# Allegro board CATALYSTK_260108.brd (continued)
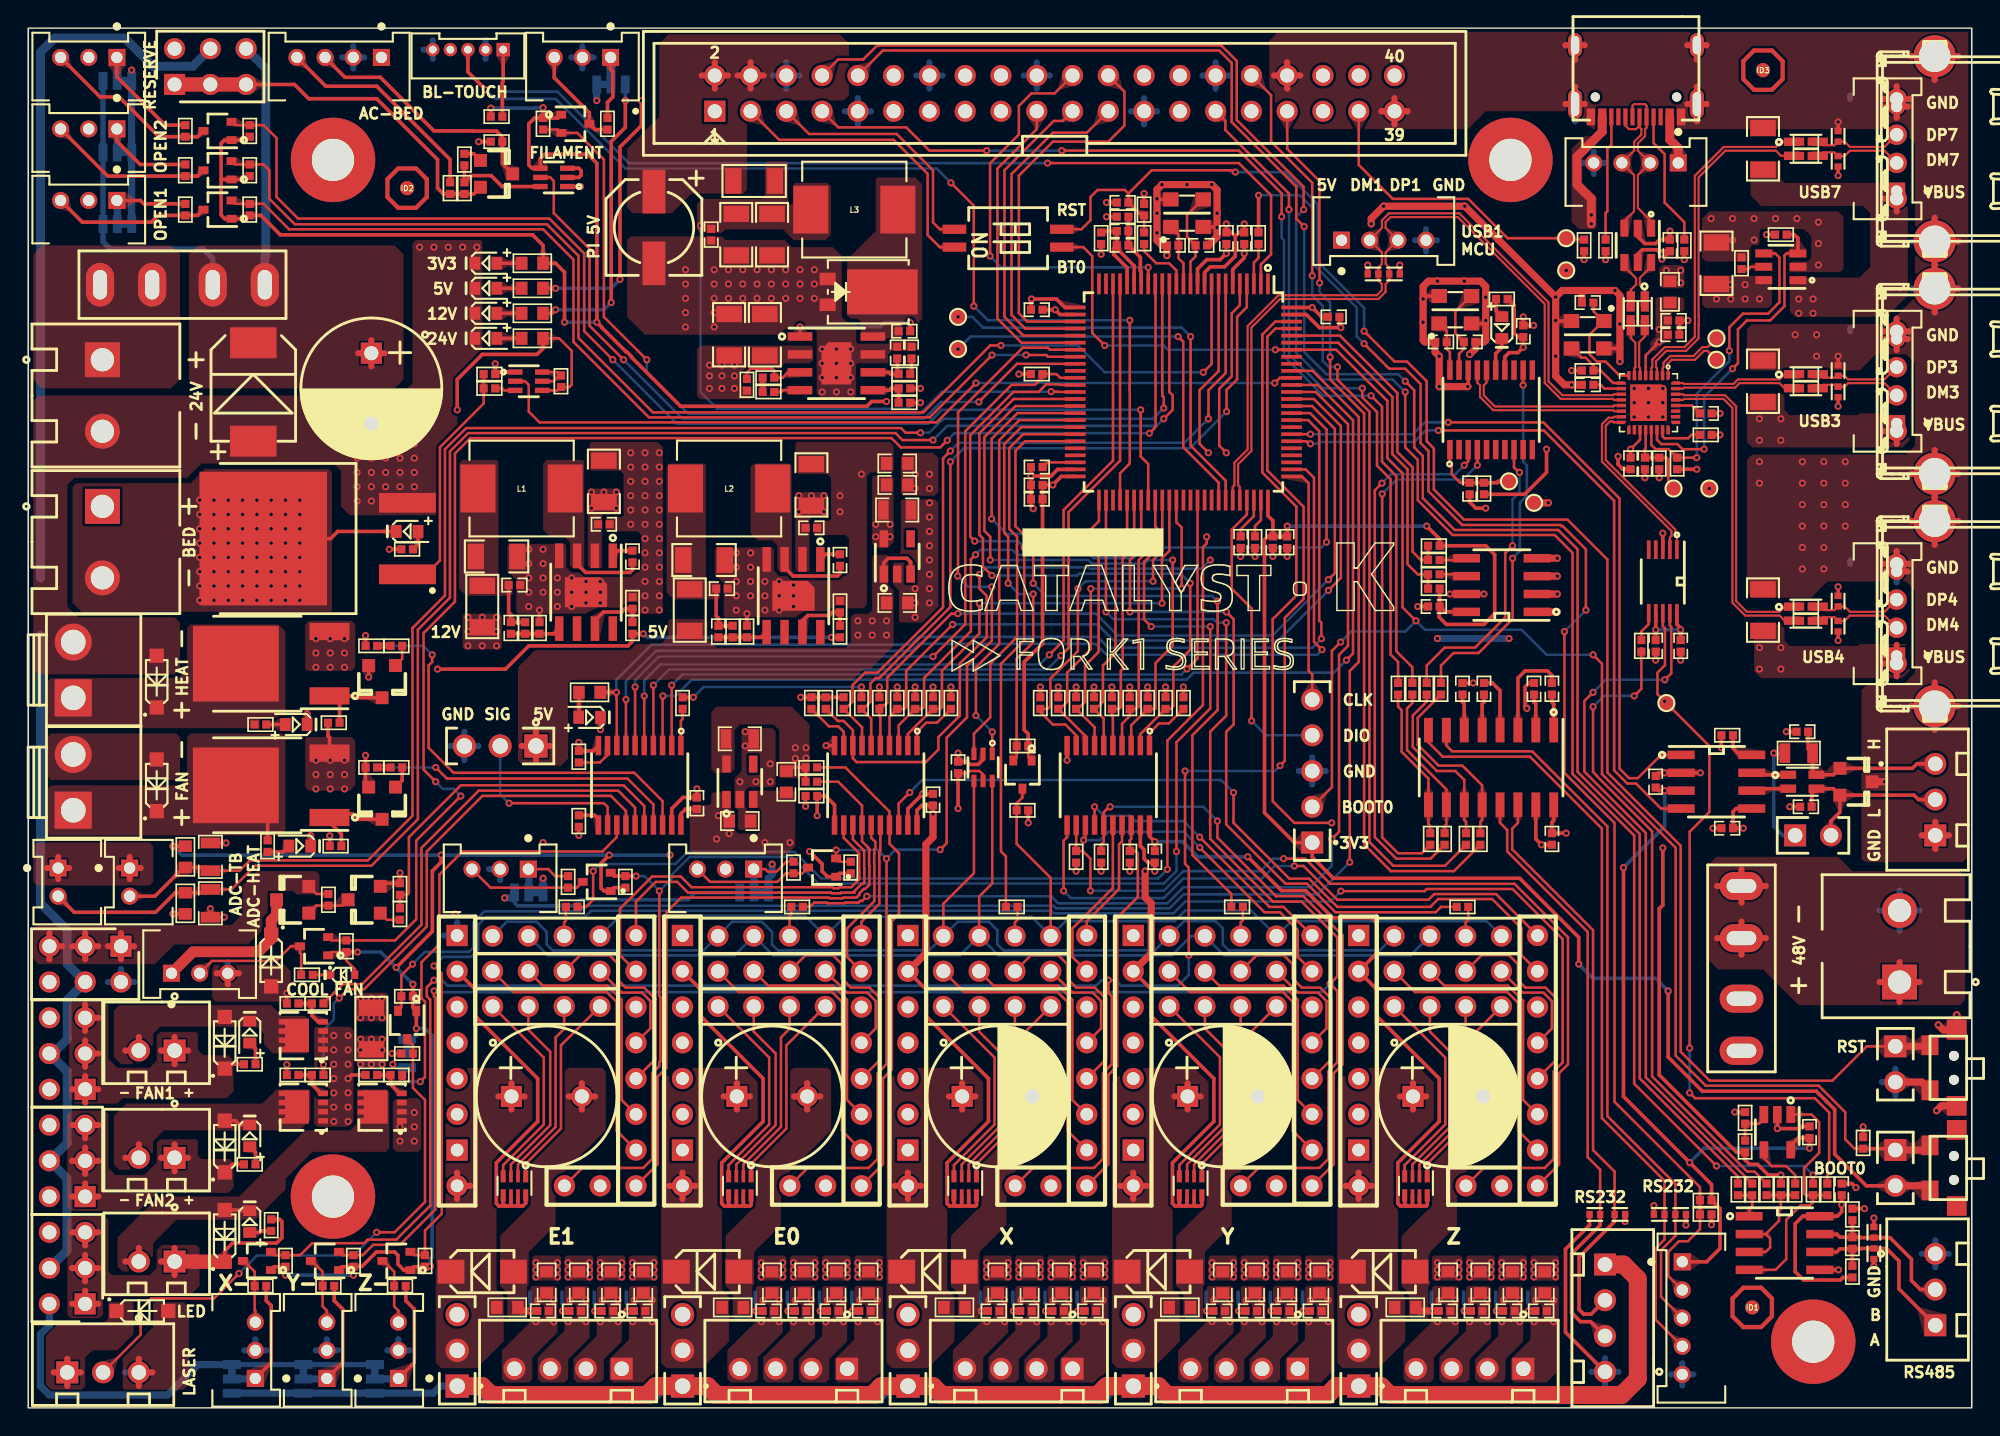
[diagram p0: board, top side]
## Placement (name value [footprint] x y rotation side) (continued)
R140  100R  [R0402]  69.83 35.58 0 top
R141  100K  [R0603]  81.77 7.13 0 top
R142  10K  [R0402]  76.18 39.14 90 top
R143  100R  [R0402]  85.83 35.58 0 top
R144  100K  [R0603]  50.02 7.13 0 top
R145  10K  [R0402]  55.61 45.49 0 top
R146  100R  [R0402]  54.59 35.58 180 top
R147  100K  [R0603]  34.02 7.13 0 top
R148  10K  [R0402]  55.61 44.47 0 top
R149  100R  [R0402]  38.59 35.58 180 top
R150  100K  [R0603]  97.77 7.13 0 top
R151  10K  [R0402]  74.4 39.14 90 top
R152  100R  [R0402]  101.84 35.58 0 top
R155  10K  [R0402]  117.08 67.08 90 top
R156  0R  [R0402]  114.54 54.12 90 top
R157  10K  [R0402]  103.36 65.3 90 top
R158  1K  [R0402]  104.63 78.76 0 top
R159  10K  [R0402]  119.11 14.75 0 top
R160  200K  [R0402]  119.11 13.74 180 top
R161  1K  [R0402]  121.9 18.56 270 top
R162  0R  [R0402]  125.46 15.52 270 top
R163  15K  [R0402]  121.9 20.6 270 top
R164  0R  [R0402]  126.73 15.52 270 top
R165  0R  [R0402]  121.39 15.52 270 top
R166  0R  [R0402]  98.28 51.08 90 top
R167  10K  [R0402]  110.47 82.57 90 top
R168  0R  [R0402]  97.26 51.08 90 top
R169  0R  [R0402]  103.11 40.41 270 top
R170  0R  [R0402]  102.09 40.41 90 top
R171  0R/NC  [R0402]  123.43 15.52 270 top
R172  NC  [R0402]  126.22 88.92 180 top
R173  NC  [R0402]  126.22 89.94 180 top
R174  NC  [R0402]  126.22 72.41 180 top
R175  NC  [R0402]  126.22 73.43 180 top
R176  NC  [R0402]  126.22 55.9 180 top
R177  NC  [R0402]  126.22 56.92 180 top
RN1  4.7K  [RESCAXS50P200X100X50-8N]  66.53 15.77 180 top
RN2  4.7K  [RESCAXS50P200X100X50-8N]  82.53 15.77 180 top
RN3  4.7K  [RESCAXS50P200X100X50-8N]  50.53 15.77 180 top
RN4  4.7K  [RESCAXS50P200X100X50-8N]  34.53 15.77 180 top
RN5  4.7K  [RESCAXS50P200X100X50-8N]  98.53 15.77 180 top
SW1  SW DIP-2  [DIP-SWITCH-2N_127P_SMD]  69.58 83.08 90 top
SW2  RST  [TS-019]  136.73 24.15 270 top
SW3  BOOT0  [TS-019]  136.73 17.04 270 top
T1  TEST  [TPPAD_SMD_C100]  116.82 65.3 90 top
T2  TEST  [TPPAD_SMD_C100]  119.36 65.3 90 top
T3  TEST  [TPPAD_SMD_C100]  105.14 65.81 90 top
T4  TEST  [TPPAD_SMD_C100]  106.92 64.28 90 top
T5  TEST  [TPPAD_SMD_C100]  116.31 50.06 0 top
T6  TEST  [TPPAD_SMD_C100]  109.2 83.08 0 top
T7  TEST  [TPPAD_SMD_C100]  109.2 80.79 0 top
T8  TEST  [TPPAD_SMD_C100]  66.02 75.21 0 top
T9  TEST  [TPPAD_SMD_C100]  66.02 77.49 0 top
T10  TEST  [TPPAD_SMD_C100]  119.87 74.44 0 top
T11  TEST  [TPPAD_SMD_C100]  119.87 75.97 0 top
U1  RY9330DP8  [SOIC8E]  39.61 57.93 180 top
U2  RY9330DP8  [SOIC8E]  54.34 57.68 180 top
U3  ME6217C33M5G/NC  [SOT23-5]  50.53 44.47 0 top
U4  TPS54360  [SOIC8E]  57.39 74.19 270 top
U5  ME6217C33M5G  [SOT23-5]  61.7 60.47 0 top
U6  74LVC2G34GW  [SC70_SOT-363-6]  67.8 45.49 180 top
U7  STM32H723VGT6  [LQFP-100_50P1600X1600X160]  82.02 72.16 180 top
U8  74HCT245  [TSSOP-20_P65_650X640X120]  43.42 44.22 180 top
U9  74HCT245  [TSSOP-20_P65_650X640X120]  76.69 44.22 180 top
U10  AT24C32  [SOIC-8_127P600X175]  104.63 58.44 90 top
U11  74HCT245  [TSSOP-20_P65_650X640X120]  60.18 44.22 180 top
U12  CH338F  [QFN-32_P40_400X400X100]  115.04 71.4 180 top
U13  TPT3232E-SO3R  [SOP-16_127P600X170]  103.87 45.49 180 top
U14  SSP485  [SOIC-8_127P600X175]  124.7 11.71 270 top
U15  SIT1051AQT/3  [SOIC-8_127P600X175]  119.87 44.47 270 top
U16  CH217K  [SOT23-6]  124.44 81.05 90 top
U17  CH340E  [MSOP-10_P50P500X110]  116.06 58.7 180 top
U18  CH347T  [TSSOP-20_P65_650X640X120]  103.87 70.89 0 top
U19  AP331AWG-7  [SOT23-5]  124.19 19.58 180 top
Y1  25Mhz/10ppm  [SMD3225]  82.28 84.86 0 top
Y2  25Mhz  [SMD3225]  110.73 76.22 180 top
Y3  8Mhz  [SMD3225]  101.33 78 0 top

## Library data of the parts
C1 C4 C5 C7 C8 C10 C11 C13-C16 C19 C23-C60 C63-C71 C73-C75 C81-C106 = C
C2 C3 C9 C21 C22 C76-C80 = CAP
C6 C12 C17 C18 C20 = CAP POL
D1 D31-D35 = DIODE TAZ
D2 = DIODE SCHOTTKY_4
D3-D7 D10 D13 D14 D18-D20 D36 = LED
D8 = USBLC6-2SC6Y
D11 D12 D15-D17 D21-D23 = DIODE
D24-D29 ED1-ED8 = DIODE BI-DIR TRIG
D30 = TVS_3P
F1 F3 = FUSE_0
F2 F4-F6 = FUSE
FB1-FB5 = BEAD
FB6-FB25 = FB
ID1-ID3 = MARK
J1 J2 J19 = KF_CON_2P
J4 J46 = CON_0
J5 J6 = CON2_3
J7 J8 J11 J13 J15 J24 = JSTXH_1
J9 J12 J14 = USB-A_6P
J10 = TYPE-C_16P
J17 J18 = CON2
J20-J23 J28 = CON6A
J25-J27 = JSTXH_2P
J29 J40 J41 J43-J45 J47-J50 = JSTXH_3
J30 J51 J54 J57 J60 J63 = header_3
J31 J37 J38 = JSTXH_3P
J33 = IDCCON_20X2
J35 = JSTXH_4P
J36 = JSTXH_2
J39 J42 = CONN MOD 4-2_J_1
J52 J55 J58 J61 J64 = JUMPER_4X3
J53 J56 J59 J62 J65 = 4 HEADER
J66 = header_2
JP7-JP16 = JP_0
L1-L3 = INDUCTOR
L4 L5 = INDUCTOR_COMM_0
L6-L8 = INDUCTOR_COMM_1
M1-M4 = HOLE
MD1-MD5 = StepStick_driver_MD
N1-N10 = SHORT
Q1 Q13 Q15 Q17-Q25 = NMOS
Q2 Q3 = MOS_P
Q4 Q8 = NPN+PNP_BIASED_RES
Q5 = MOS_N
Q6 Q7 Q16 = NPN
Q9 = PNP
Q10-Q12 = N_MOS_PMPB10EN
Q14 = PMOS
R1-R52 R55-R58 R64 R66 R67 R69-R114 R116-R152 R155-R177 = R
RN1-RN5 = RES_NETWORK
SW1 = SW DIP-2_1
SW2 SW3 = KEYB_0
T1-T11 = TEST
U1 U2 = RY9330BP8
U3 U5 = AP2112-3_0.3V
U4 = TPS54331_0
U6 = 74LVC2G34GW
U7 = STM32H723VG_LQFP100
U8 U9 U11 = 74HCT245
U10 = AT24C32
U12 = CH338F
U13 = RS-232 Transceivers
U14 = RS-485
U15 = MCP2542FD
U16 = CH217K
U17 = CH340E
U18 = CH347T
U19 = Comparator_1
Y1-Y3 = CRYSTAL_4P

## Footprints (pads in the part's own frame, mm; a bottom-side part is the same pattern mirrored in y, then rotated)
0402_CC
  rect 0.457x0.508 smd: 1(-0.376,0) 2(0.376,0)
AD-JUMPER-3-2OF3_NC_BY_PASTE3
  rect 0.635x1.27 smd: 1(-1.016,0) 2(0,0) 3(1.016,0)
BZ-VH396-2P
  rect 2.629x2.629 hole 1.75: 1(-1.981,1.45)
  round 2.629 hole 1.75: 2(1.981,1.45)
C0402
  rect 0.574x0.579 smd: 1(-0.411,0) 2(0.411,0)
C0603
  rect 0.82x0.93 smd: 1(-0.754,0) 2(0.754,0)
C0805
  rect 0.759x1.379 smd: 1(-0.986,0) 2(0.986,0)
C1206
  rect 1.161x1.821 smd: 1(-1.476,0) 2(1.476,0)
CAPAE660X550DD200L250N
  rect 3.099x1.621 smd: 1(-2.545,0) 2(2.545,0)
CAPPRD500D1000H1300
  rect 1.501x1.501 hole 1.001: 1(-2.499,0)
  round 1.501 hole 1.001: 2(2.499,0)
DFN-8_065P330X330X110
  rect 0.399x0.701 smd: 1(-0.975,-1.4) 2(-0.325,-1.4) 3(0.325,-1.4) 4(0.975,-1.4) 5(0.975,1.4) 6(0.325,1.4) 7(-0.325,1.4)
  custom 2.372x2.149 smd: 8(0.01,0.676)
DIP-SWITCH-2N_127P_SMD
  rect 0.65x1.659 smd: 1(-0.635,-3.802) 2(0.635,-3.802) 3(0.635,3.802) 4(-0.635,3.802)
F1206
  rect 1.161x1.821 smd: 1(-1.476,0) 2(1.476,0)
FB0603
  rect 0.82x0.93 smd: 1(-0.754,0) 2(0.754,0)
HC-125-5A
  rect 0.95x0.95 hole 0.551: 1(-2.499,0)
  round 0.95 hole 0.551: 2(-1.25,0) 3(0,0) 4(1.25,0) 5(2.499,0)
HEADER_3X4
  round 1.501 hole 1.001: 1(0,-2.499) 2(2.54,-2.499) 3(5.08,-2.499) 4(7.62,-2.499) 5(0,-4.999) 6(2.54,-4.999) 7(5.08,-4.999) 8(7.62,-4.999) 9(0,0) 10(2.54,0) 11(5.08,0) 12(7.62,0)
ID-BOARDA
  round 1.016 smd: 1(0,0)
IDCCON_P254_VH20X2
  rect 1.501x1.501 hole 1.001: 1(0,0)
  round 1.501 hole 1.001: 2(0,2.54) 3(2.54,0) 4(2.54,2.54) 5(5.08,0) 6(5.08,2.54) 7(7.62,0) 8(7.62,2.54) 9(10.16,0) 10(10.16,2.54) 11(12.7,0) 12(12.7,2.54) 13(15.24,0) 14(15.24,2.54) 15(17.78,0) 16(17.78,2.54) 17(20.32,0) 18(20.32,2.54) 19(22.86,0) 20(22.86,2.54) 21(25.4,0) 22(25.4,2.54) 23(27.94,0) 24(27.94,2.54) 25(30.48,0) 26(30.48,2.54) 27(33.02,0) 28(33.02,2.54) 29(35.56,0) 30(35.56,2.54) 31(38.1,0) 32(38.1,2.54) 33(40.64,0) 34(40.64,2.54) 35(43.18,0) 36(43.18,2.54) 37(45.72,0) 38(45.72,2.54) 39(48.26,0) 40(48.26,2.54)
INDS_ACM2012
  rect 1.12x0.589 smd: 1(-1.001,0.495) 2(1.001,0.495) 3(-1.001,-0.495) 4(1.001,-0.495)
KF12X_P508-2P
  rect 2.479x2.479 hole 1.651: 1(0,0)
  round 2.479 hole 1.651: 2(5.08,0)
KH-TYPE-C-16P-T
  round 0.65 hole 0.65 unplated: (-2.891,2.035) (2.891,2.035)
  rect 0.599x1.199 smd: A1_B12(-3.2,3.449) A4_B9(-2.4,3.449) B1_A12(3.2,3.449) B4_A9(2.4,3.449)
  rect 0.3x1.199 smd: A5(-1.25,3.449) A6(-0.249,3.449) A7(0.249,3.449) A8(1.25,3.449) B5(1.75,3.449) B6(0.749,3.449) B7(-0.749,3.449) B8(-1.75,3.449)
  oval 1.001x2.101 hole 0.599x1.699: G1(-4.326,2.535) G2(4.326,2.535)
  oval 1.001x1.699 hole 0.599x1.3: G3(-4.326,-1.646) G4(4.326,-1.646)
LED0603
  rect 0.759x0.919 smd: 1(-0.775,0) 2(0.775,0)
LQFP-100_50P1600X1600X160
  rect 0.259x1.471 smd: 1(-5.999,-7.681) 2(-5.499,-7.681) 3(-5.001,-7.681) 4(-4.501,-7.681) 5(-4,-7.681) 6(-3.5,-7.681) 7(-3,-7.681) 8(-2.499,-7.681) 9(-1.999,-7.681) 10(-1.501,-7.681) 11(-1.001,-7.681) 12(-0.5,-7.681) 13(0,-7.681) 14(0.5,-7.681) 15(1.001,-7.681) 16(1.501,-7.681) 17(1.999,-7.681) 18(2.499,-7.681) 19(3,-7.681) 20(3.5,-7.681) 21(4,-7.681) 22(4.501,-7.681) 23(5.001,-7.681) 24(5.499,-7.681) 25(5.999,-7.681) 51(5.999,7.681) 52(5.499,7.681) 53(5.001,7.681) 54(4.501,7.681) 55(4,7.681) 56(3.5,7.681) 57(3,7.681) 58(2.499,7.681) 59(1.999,7.681) 60(1.501,7.681) 61(1.001,7.681) 62(0.5,7.681) 63(0,7.681) 64(-0.5,7.681) 65(-1.001,7.681) 66(-1.501,7.681) 67(-1.999,7.681) 68(-2.499,7.681) 69(-3,7.681) 70(-3.5,7.681) 71(-4,7.681) 72(-4.501,7.681) 73(-5.001,7.681) 74(-5.499,7.681) 75(-5.999,7.681)
  rect 1.471x0.259 smd: 26(7.681,-5.999) 27(7.681,-5.499) 28(7.681,-5.001) 29(7.681,-4.501) 30(7.681,-4) 31(7.681,-3.5) 32(7.681,-3) 33(7.681,-2.499) 34(7.681,-1.999) 35(7.681,-1.501) 36(7.681,-1.001) 37(7.681,-0.5) 38(7.681,0) 39(7.681,0.5) 40(7.681,1.001) 41(7.681,1.501) 42(7.681,1.999) 43(7.681,2.499) 44(7.681,3) 45(7.681,3.5) 46(7.681,4) 47(7.681,4.501) 48(7.681,5.001) 49(7.681,5.499) 50(7.681,5.999) 76(-7.681,5.999) 77(-7.681,5.499) 78(-7.681,5.001) 79(-7.681,4.501) 80(-7.681,4) 81(-7.681,3.5) 82(-7.681,3) 83(-7.681,2.499) 84(-7.681,1.999) 85(-7.681,1.501) 86(-7.681,1.001) 87(-7.681,0.5) 88(-7.681,0) 89(-7.681,-0.5) 90(-7.681,-1.001) 91(-7.681,-1.501) 92(-7.681,-1.999) 93(-7.681,-2.499) 94(-7.681,-3) 95(-7.681,-3.5) 96(-7.681,-4) 97(-7.681,-4.501) 98(-7.681,-5.001) 99(-7.681,-5.499) 100(-7.681,-5.999)
MCCQ-122
  oval 3.099x1.999 hole 2.101x1.001: 1(0,-3.701) 1_1(0,0) 2(0,8.001) 2_2(0,4.3)
MSOP-10_P50P500X110
  rect 0.259x1.321 smd: 1(-1.001,-2.256) 2(-0.5,-2.256) 3(0,-2.256) 4(0.5,-2.256) 5(1.001,-2.256) 6(1.001,2.256) 7(0.5,2.256) 8(0,2.256) 9(-0.5,2.256) 10(-1.001,2.256)
MTGP600H300
  round 5.999 hole 3: 1(0,0)
PH200_B2B-PH-K-S
  rect 1.209x1.209 hole 0.8: 1(-1.999,-0.65)
  round 1.209 hole 0.8: 2(0,-0.65)
PH200_B3B-PH-K-S
  rect 1.209x1.209 hole 0.8: 1(-1.999,-0.65)
  round 1.209 hole 0.8: 2(0,-0.65) 3(1.999,-0.65)
PH200_B4B-PH-K-S
  rect 1.209x1.209 hole 0.8: 1(-3,-0.65)
  round 1.209 hole 0.8: 2(-1.001,-0.65) 3(1.001,-0.65) 4(3,-0.65)
PH200_B5B-PH-K-S
  rect 1.209x1.209 hole 0.8: 1(-4,-0.65)
  round 1.209 hole 0.8: 2(-1.999,-0.65) 3(0,-0.65) 4(1.999,-0.65) 5(4,-0.65)
PH_HEADER-2X1_P254
  rect 1.56x1.56 hole 1.039: 1(0,0)
  round 1.56 hole 1.039: 2(2.54,0)
PH_HEADER-3X1_254P
  rect 1.651x1.651 hole 1.1: 1(0,0)
  round 1.651 hole 1.1: 2(2.54,0) 3(5.08,0)
PH_HEADER-3X2_254P
  rect 1.501x1.501 hole 1.001: 1(0,0)
  round 1.501 hole 1.001: 2(0,2.54) 3(2.54,0) 4(2.54,2.54) 5(5.08,0) 6(5.08,2.54)
PH_HEADER-5X1_254P
  rect 1.56x1.56 hole 1.039: 1(0,0)
  round 1.56 hole 1.039: 2(2.54,0) 3(5.08,0) 4(7.62,0) 5(10.16,0)
QFN-32_P40_400X400X100
  custom 0.249x0.65 smd: 1(-1.4,-1.923) 8(1.4,-1.923) 17(1.4,1.923) 24(-1.4,1.923)
  rect 0.249x0.655 smd: 2(-1.001,-1.923) 3(-0.599,-1.923) 4(-0.201,-1.923) 5(0.201,-1.923) 6(0.599,-1.923) 7(1.001,-1.923) 18(1.001,1.923) 19(0.599,1.923) 20(0.201,1.923) 21(-0.201,1.923) 22(-0.599,1.923) 23(-1.001,1.923)
  custom 0.65x0.249 smd: 9(1.923,-1.4) 16(1.923,1.4) 25(-1.923,1.4) 32(-1.923,-1.4)
  rect 0.655x0.249 smd: 10(1.923,-1.001) 11(1.923,-0.599) 12(1.923,-0.201) 13(1.923,0.201) 14(1.923,0.599) 15(1.923,1.001) 26(-1.923,1.001) 27(-1.923,0.599) 28(-1.923,0.201) 29(-1.923,-0.201) 30(-1.923,-0.599) 31(-1.923,-1.001)
  custom 2.601x2.601 smd: 33(0,0)
R0402
  rect 0.574x0.579 smd: 1(-0.411,0) 2(0.411,0)
R0603
  rect 0.82x0.93 smd: 1(-0.754,0) 2(0.754,0)
R0805
  rect 0.759x1.379 smd: 1(-0.986,0) 2(0.986,0)
RESCAXS50P200X100X50-8N
  rect 0.361x0.861 smd: 1(-0.8,-0.676) 4(0.8,-0.676) 5(0.8,0.676) 8(-0.8,0.676)
  rect 0.259x0.861 smd: 2(-0.249,-0.676) 3(0.249,-0.676) 6(0.249,0.676) 7(-0.249,0.676)
SC70_SOT-363-6
  rect 0.358x0.886 smd: 1(-0.65,-0.963) 2(0,-0.963) 3(0.65,-0.963) 4(0.65,0.963) 5(0,0.963) 6(-0.65,0.963)
SC-70_SOT323
  rect 0.551x0.701 smd: 1(-0.65,-0.996) 2(0.65,-0.996) 3(0,0.996)
SHORT_W50
  rect 0.5x0.5 smd: 1(-0.127,0) 2(0.127,0)
SMA
  rect 1.9x1.699 smd: 1(2.22,0) 2(-2.22,0)
SMC
  rect 2.2x3.299 smd: 1(3.495,0) 2(-3.495,0)
SMD3225
  rect 1.1x1.001 smd: 1(-1.151,-0.975) 2(1.151,-0.975) 3(1.151,0.975) 4(-1.151,0.975)
SOD123
  rect 1.016x1.016 smd: 1(-1.836,0) 2(1.836,0)
SOD523
  rect 0.5x0.599 smd: 1(-0.851,0) 2(0.851,0)
SOIC8E
  rect 0.599x1.75 smd: 1(-1.905,-2.586) 2(-0.635,-2.586) 3(0.635,-2.586) 4(1.905,-2.586) 5(1.905,2.586) 6(0.635,2.586) 7(-0.635,2.586) 8(-1.905,2.586)
  custom 3.002x2.129 smd: 9(0,0)
SOIC-8_127P600X175
  rect 0.599x1.91 smd: 1(-1.905,-2.504) 2(-0.635,-2.504) 3(0.635,-2.504) 4(1.905,-2.504) 5(1.905,2.504) 6(0.635,2.504) 7(-0.635,2.504) 8(-1.905,2.504)
SOP-16_127P600X170
  rect 0.63x1.74 smd: 1(-4.445,-2.649) 2(-3.175,-2.649) 3(-1.905,-2.649) 4(-0.635,-2.649) 5(0.635,-2.649) 6(1.905,-2.649) 7(3.175,-2.649) 8(4.445,-2.649) 9(4.445,2.649) 10(3.175,2.649) 11(1.905,2.649) 12(0.635,2.649) 13(-0.635,2.649) 14(-1.905,2.649) 15(-3.175,2.649) 16(-4.445,2.649)
SOT23
  rect 0.914x0.914 smd: 1(-0.953,-1.143) 2(0.953,-1.143) 3(0,1.143)
SOT23-5
  rect 0.61x1.209 smd: 1(-0.95,-1.255) 2(0,-1.255) 3(0.95,-1.255) 4(0.95,1.255) 5(-0.95,1.255)
SOT23-6
  rect 0.569x1.199 smd: 1(-0.95,-1.214) 2(0,-1.214) 3(0.95,-1.214) 4(0.95,1.214) 5(0,1.214) 6(-0.95,1.214)
SOT363
  rect 0.381x1.021 smd: 1(-0.65,-0.955) 2(0,-0.955) 3(0.65,-0.955) 4(0.65,0.955) 5(0,0.955) 6(-0.65,0.955)
SPL0707G
  rect 2.489x3.404 smd: 1(-3.094,0) 2(3.094,0)
TMC_BREAKOUT
  round 1.509 hole 0.899: 1(0,0) 2(2.54,0) 3(5.08,0) 4(7.62,0) 5(10.16,0) 6(12.7,0) 7(15.24,0) 8(17.78,0) 10(15.24,12.7) 11(12.7,12.7) 12(10.16,12.7) 13(7.62,12.7) 14(5.08,12.7) 16(0,12.7) 17(0,2.54) 19(0,5.08)
  rect 1.509x1.509 hole 0.899: 9(17.78,12.7) 15(2.54,12.7)
TO-252
  rect 1.219x2.83 smd: 1(-2.286,-4.14) 2(2.286,-4.14)
  rect 5.38x6.101 smd: 3(0,2.51)
TO-263-2L_1524X483L228X75T78-1
  rect 1.402x4.039 smd: 1(-2.54,-6.373) 2(2.54,-6.373)
  rect 9.492x9.055 smd: 3(0,3.866)
TO-277B_MBR1560S_SME-L
  rect 3.2x5.004 smd: 1(0,1.003)
  rect 0.889x1.143 smd: 2(-0.919,-2.883) 3(0.919,-2.883)
TPPAD_SMD_C100
  round 1.001 smd: 1(0,0)
TS-019
  round 0.701 hole 0.701 unplated: (-0.851,0) (0.851,0)
  rect 1.4x1.199 smd: 1(1.6,-1.699) 2(-1.6,-1.699)
  rect 1.4x1.4 smd: 3(2.7,0.201) 4(-2.7,0.201)
TSSOP-20_P65_650X640X120
  rect 0.386x1.372 smd: 1(-2.926,-2.822) 2(-2.276,-2.822) 3(-1.626,-2.822) 4(-0.975,-2.822) 5(-0.325,-2.822) 6(0.325,-2.822) 7(0.975,-2.822) 8(1.626,-2.822) 9(2.276,-2.822) 10(2.926,-2.822) 11(2.926,2.822) 12(2.276,2.822) 13(1.626,2.822) 14(0.975,2.822) 15(0.325,2.822) 16(-0.325,2.822) 17(-0.975,2.822) 18(-1.626,2.822) 19(-2.276,2.822) 20(-2.926,2.822)
USB20_AF
  round 1.45 hole 0.95: 1(-3.541,2.7) 2(-1.001,2.7) 3(1.001,2.7) 4(3.541,2.7)
  round 3 hole 2.24: 5(-6.571,0) 6(6.571,0)
XH254-2A
  rect 1.56x1.56 hole 1.039: 1(0,0)
  round 1.56 hole 1.039: 2(2.54,0)
XH254-3A_1
  rect 1.56x1.56 hole 1.039: 1(5.08,0)
  round 1.56 hole 1.039: 2(2.54,0) 3(0,0)
XH254-4A
  rect 1.56x1.56 hole 1.039: 1(0,0)
  round 1.56 hole 1.039: 2(2.54,0) 3(5.08,0) 4(7.62,0)
XH254-4A_1
  rect 1.56x1.56 hole 1.039: 1(7.62,0)
  round 1.56 hole 1.039: 2(5.08,0) 3(2.54,0) 4(0,0)

## Nets
3V1: R161.1 R163.2 U19.3
3V3_MCU: C27.1 C31.1 C37.1 C38.1 C39.1 C40.1 C41.1 C42.1 C45.1 C46.1 FB2.2 FB3.1 J4.1 J6.2 Q1.1 R21.1 R29.1 R30.1 R48.1 SW3.1 U7.6 U7.11 U7.27 U7.50 U7.75 U7.100 U10.8
5.17V: C17.1 C18.1 C19.1 F5.1 L3.2 R13.2
+3V3: C26.1 C63.1 C68.1 C69.1 D21.2 FB2.1 FB5.1 JP7.3 N1.2(B) Q8.4 Q13.1 Q15.1 Q17.1 Q18.1 Q19.1 Q20.1 Q21.1 Q22.1 Q23.1 Q24.1 Q25.1 R12.2 R19.1 R25.1 R26.1 R31.2 R36.2 R39.1 R41.2 R44.2 R97.1 R99.1 R112.1 R113.2 R117.1 R118.1 R120.1 R122.1 R123.1 R125.1 R127.1 R129.1 R130.1 R132.1 R134.1 R136.1 R161.2 R167.1 U5.5(OUT) U13.16(VCC) U14.8(VCC) U15.5
+12V: F2.2 J20.4 J21.4 J22.4 J23.4 J28.4 Q4.4 R10.2 R72.2
+24V: C2.1 C3.1 C4.1 C9.1 C10.1 C21.1 C22.1 D1.1(CATHODE) F1.2 F1.2_2 F6.2 J19.1 J20.6 J21.6 J22.6 J23.6 J28.6 J35.1 J51.1 J54.1 J57.1 J60.1 J63.1 JP7.1 JP8.1 JP9.1 JP10.1 JP11.1 JP12.1 JP13.1 JP14.1 JP15.1 JP16.1 Q2.2 Q3.2 R1.2 R5.2 R9.2 R14.2 R71.2 R73.1 R74.1 U1.2 U2.2 U4.2(VIN)
+48V: F3.2 F3.2_2 J51.3 J54.3 J57.3 J60.3 J63.3
GND: C2.2 C3.2 C4.2 C6.2 C7.2 C9.2 C10.2 C12.2 C13.2 C14.2 C15.2 C17.2 C18.2 C19.2 C20.2 C21.2 C22.2 C23.2 C24.2 C25.2 C26.2 C27.2 C28.2 C29.2 C30.2 C31.2 C32.2 C33.2 C34.2 C35.2 C36.2 C37.2 C38.2 C39.2 C40.2 C41.2 C42.2 C45.2 C46.2 C47.2 C48.2 C49.2 C50.2 C51.2 C52.2 C53.2 C54.2 C55.2 C56.2 C57.2 C58.2 C59.2 C60.2 C63.2 C65.2 C67.2 C68.2 C69.2 C70.2 C71.2 C73.2 C74.2 C75.2 C76.2 C77.2 C78.2 C79.2 C80.2 C81.2 C82.2 C83.2 C84.2 C85.2 C86.2 C87.2 C88.2 C89.2 C90.2 C91.2 C92.2 C93.2 C94.2 C95.2 C96.2 C97.2 C98.2 C99.2 C100.2 C101.2 C102.2 C103.2 C104.2 C105.2 C106.2 D1.2 D2.2 D2.3 D3.1(CATHODE) D4.1(CATHODE) D5.1(CATHODE) D6.1(CATHODE) D7.1(CATHODE) D8.2 D11.2 D12.2 D13.1(CATHODE) D14.1(CATHODE) D22.2 D23.2 D24.2 D25.2 D26.2 D27.2 D28.2 D29.2 D30.3 D31.2 D32.2 D33.2 D34.2 D35.2 ED1.2 ED2.2 ED3.2 ED4.2 ED5.2 ED6.2 ED7.2 ED8.2 FB4.1 J1.2 J2.2 J4.3 J5.2 J7.4 J8.4 J9.4 J9.5 J9.6 J10.A1_B12 J10.B1_A12 J10.G1 J10.G2 J10.G3 J10.G4 J11.4 J12.4 J12.5 J12.6 J13.4 J14.4 J14.5 J14.6 J15.4 J17.2 J18.2 J24.2 J29.3 J30.3 J31.3 J33.6 J33.9(A9) J33.14 J33.20 J33.25 J33.30 J33.34 J33.39 J35.4 J36.5 J37.3 J38.1 J39.1 J40.2 J41.2 J42.1 J43.2 J44.2 J45.2 J46.2 J46.5 J47.2 J48.2 J49.2 J50.2 MD1.9 MD1.15 MD2.9 MD2.15 MD3.9 MD3.15 MD4.9 MD4.15 MD5.9 MD5.15 Q4.1 Q5.2 Q6.2(E) Q7.2(E) Q8.1 Q10.1 Q10.2 Q10.3(S3) Q11.1 Q11.2 Q11.3(S3) Q12.1 Q12.2 Q12.3(S3) Q16.2(E) R3.1 R4.1 R7.1 R8.1 R15.1 R17.1 R18.1 R22.1 R23.2 R24.1 R27.2 R28.2 R32.2 R33.2 R37.2 R40.2 R42.2 R43.2 R45.2 R46.1 R47.2 R49.2 R50.2 R51.2 R56.1 R58.1 R64.1 R66.1 R70.1 R78.2 R81.2 R82.2 R86.2 R93.2 R94.2 R95.2 R102.2 R108.1 R116.2 R138.2 R141.2 R144.2 R147.2 R150.2 R155.1 R160.1 R163.1 SW2.1 SW2.3 SW2.4 T2.1(A1) T4.1(A1) T7.1(A1) U1.4 U1.9 U2.4 U2.9 U3.2 U4.7 U4.9 U5.2 U6.2 U7.10 U7.26 U7.49 U7.99(VSS_4) U8.10 U8.19 U9.10 U9.19 U10.1 U10.2 U10.3 U10.4 U10.7(WP) U11.10 U11.19 U12.33 U13.15 U14.5 U15.2(VSS) U16.2 U17.3 U18.18 U19.2 Y1.2 Y1.4 Y2.2 Y2.4 Y3.2 Y3.4
VBUS_OUT: C82.1 C83.1 C84.1 J7.1 J9.1(VBUS) J11.1 J12.1(VBUS) J13.1 J14.1(VBUS) U16.1(VOUT)
VCCIO: C15.1 C29.1 C30.1 C32.1 FB1.2 MD1.10 MD2.10 MD3.10 MD4.10 MD5.10 R20.1 R139.1 R142.1 R145.1 R148.1 R151.1 RN1.5(B) RN1.6 RN1.7 RN1.8 RN2.5(B) RN2.6 RN2.7 RN2.8 RN3.5(B) RN3.6 RN3.7 RN3.8 RN4.5(B) RN4.6 RN4.7 RN4.8 RN5.5(B) RN5.6 RN5.7 RN5.8 U3.5(OUT) U6.5(VCC) U9.20(VCC) U11.20(VCC)
VDD_3V3: C49.1 C52.1 C53.1 C56.1 C58.1 C85.1 FB5.2 R67.2 R69.1 R157.1 R158.2 U12.5 U12.19 U17.7(VCC) U17.10 U18.14
VDDA: C43.1 C44.1 FB3.2 U7.20 U7.21
VSSA: C43.2 C44.2 FB4.2 U7.19
1A_HV_STEPSTICK_DRIVER: FB8.1 MD1.12
1A_HV_STEPSTICK_DRIVER1: FB12.1 MD2.12
1A_STEPSTICK_DRIVER: FB24.1 MD5.12
1A_STEPSTICK_DRIVER1: FB16.1 MD3.12
1A_STEPSTICK_DRIVER2: FB20.1 MD4.12
1B_HV_STEPSTICK_DRIVER: FB9.1 MD1.11
1B_HV_STEPSTICK_DRIVER1: FB13.1 MD2.11
1B_STEPSTICK_DRIVER: FB25.1 MD5.11
1B_STEPSTICK_DRIVER1: FB17.1 MD3.11
1B_STEPSTICK_DRIVER2: FB21.1 MD4.11
2A_HV_STEPSTICK_DRIVER: FB7.1 MD1.13
2A_HV_STEPSTICK_DRIVER1: FB11.1 MD2.13
2A_STEPSTICK_DRIVER: FB23.1 MD5.13
2A_STEPSTICK_DRIVER1: FB15.1 MD3.13
2A_STEPSTICK_DRIVER2: FB19.1 MD4.13
2B_HV_STEPSTICK_DRIVER: FB6.1 MD1.14
2B_HV_STEPSTICK_DRIVER1: FB10.1 MD2.14
2B_STEPSTICK_DRIVER: FB22.1 MD5.14
2B_STEPSTICK_DRIVER1: FB14.1 MD3.14
2B_STEPSTICK_DRIVER2: FB18.1 MD4.14
BEEP: U7.66
BOOT0: J4.2 J6.1 R51.1 SW1.1 SW3.2 U7.94
BOOT1: R24.2 U7.36 U8.6
BTN_ENC: U7.67
CAN_H: C71.1 D30.1 J38.3 L4.2(4) R114.2
CAN_L: C73.1 D30.2 J38.2 J66.2 L4.4
CGF0_HV_STEPSTICK_DRIVER: J52.4 MD1.5
CGF0_HV_STEPSTICK_DRIVER1: J55.4 MD2.5
CGF0_STEPSTICK_DRIVER: J64.4 MD5.5
CGF0_STEPSTICK_DRIVER1: J58.4 MD3.5
CGF0_STEPSTICK_DRIVER2: J61.4 MD4.5
CH34T_XI: C60.1 U18.19 Y3.3
CH34T_XO: C50.1 U18.20(XO) Y3.1
CH_RST: C59.1 R157.2 T3.1(A1) U18.1
CTR: J24.3 Q9.3 R86.1
DC_5V: C14.1 C25.1 C28.1 C48.1 C70.1 C81.1 C86.1 D8.5 F4.2 FB1.1 J8.1 J10.A4_B9 J10.B4_A9(VBUS_2) J15.1 J20.2 J21.2 J22.2 J23.2 J24.1 J28.2 J30.1 J36.1 J46.4 JP8.3 JP9.3 JP10.3 JP11.3 JP12.3 JP13.3 JP14.3 JP15.3 JP16.3 N2.2(B) N3.2(B) N4.2(B) N5.2(B) N6.2(B) N7.2(B) N8.2(B) N9.2(B) N10.2(B) R11.2 R159.2 U3.1 U3.3 U5.1 U5.3 U8.20(VCC) U15.3 U16.6 U19.5(VDD)
DEBUG_LED: R38.2 U7.84 U8.8
E0: MD3.19 Q18.2 R120.2 U7.32
E1: MD4.19 Q20.2 R125.2 U7.59
ENC_A: U7.63
ENC_B: U7.64
FAN_FB: J29.2 Q13.3(3D) R96.2
GPIO04: J33.7 R166.2
GPIO05: J33.29 R168.2
GPIO12: J33.32 R170.1
GPIO13: J33.33 R169.2
GPIO26: J33.37 R167.2 T6.1(A1)
HUB_RST: C51.1 R69.2 T1.1(A1) U12.20
J_1A_HV_STEPSTICK_DRIVER: C88.1 FB8.2 J53.2
J_1A_HV_STEPSTICK_DRIVER1: C92.1 FB12.2 J56.2
J_1A_STEPSTICK_DRIVER: C104.1 FB24.2 J65.2
J_1A_STEPSTICK_DRIVER1: C96.1 FB16.2 J59.2
J_1A_STEPSTICK_DRIVER2: C100.1 FB20.2 J62.2
J_1B_HV_STEPSTICK_DRIVER: C87.1 FB9.2 J53.1
J_1B_HV_STEPSTICK_DRIVER1: C91.1 FB13.2 J56.1
J_1B_STEPSTICK_DRIVER: C103.1 FB25.2 J65.1
J_1B_STEPSTICK_DRIVER1: C95.1 FB17.2 J59.1
J_1B_STEPSTICK_DRIVER2: C99.1 FB21.2 J62.1
J_2A_HV_STEPSTICK_DRIVER: C89.1 FB7.2 J53.3
J_2A_HV_STEPSTICK_DRIVER1: C93.1 FB11.2 J56.3
J_2A_STEPSTICK_DRIVER: C105.1 FB23.2 J65.3
J_2A_STEPSTICK_DRIVER1: C97.1 FB15.2 J59.3
J_2A_STEPSTICK_DRIVER2: C101.1 FB19.2 J62.3
J_2B_HV_STEPSTICK_DRIVER: C90.1 FB6.2 J53.4
J_2B_HV_STEPSTICK_DRIVER1: C94.1 FB10.2 J56.4
J_2B_STEPSTICK_DRIVER: C106.1 FB22.2 J65.4
J_2B_STEPSTICK_DRIVER1: C98.1 FB14.2 J59.4
J_2B_STEPSTICK_DRIVER2: C102.1 FB18.2 J62.4
JK_DM3: ED4.1 J11.2 J12.2 L7.4 R174.1
JK_DM4: ED6.1 J13.2 J14.2 L8.4 R176.1
JK_DM7: ED2.1 J7.2 J9.2 L6.4 R172.1
JK_DP3: ED3.1 J11.3 J12.3 L7.2 R175.1
JK_DP4: ED5.1 J13.3 J14.3 L8.2 R177.1
JK_DP7: ED1.1 J7.3 J9.3 L6.2 R173.1
LCD_D4: U7.78
LCD_D5: U7.80
LCD_EN: U7.79
LCD_RS: U7.83
MS1_HV_STEPSTICK_DRIVER: J52.1 MD1.2
MS1_HV_STEPSTICK_DRIVER1: J55.1 MD2.2
MS1_STEPSTICK_DRIVER: J64.1 MD5.2
MS1_STEPSTICK_DRIVER1: J58.1 MD3.2
MS1_STEPSTICK_DRIVER2: J61.1 MD4.2
MS2_HV_STEPSTICK_DRIVER: J52.2 MD1.3
MS2_HV_STEPSTICK_DRIVER1: J55.2 MD2.3
MS2_STEPSTICK_DRIVER: J64.2 MD5.3
MS2_STEPSTICK_DRIVER1: J58.2 MD3.3
MS2_STEPSTICK_DRIVER2: J61.2 MD4.3
MS3_HV_STEPSTICK_DRIVER: J52.3 MD1.4
MS3_HV_STEPSTICK_DRIVER1: J55.3 MD2.4
MS3_STEPSTICK_DRIVER: J64.3 MD5.4
MS3_STEPSTICK_DRIVER1: J58.3 MD3.4
MS3_STEPSTICK_DRIVER2: J61.3 MD4.4
N267397_HV_STEPSTICK_DRIVER: C76.1 D31.1(CATHODE) J51.2 MD1.16 R138.1
N267397_HV_STEPSTICK_DRIVER1: C77.1 D32.1(CATHODE) J54.2 MD2.16 R141.1
N267397_STEPSTICK_DRIVER: C80.1 D35.1(CATHODE) J63.2 MD5.16 R150.1
N267397_STEPSTICK_DRIVER1: C78.1 D33.1(CATHODE) J57.2 MD3.16 R144.1
N267397_STEPSTICK_DRIVER2: C79.1 D34.1(CATHODE) J60.2 MD4.16 R147.1
N267413_HV_STEPSTICK_DRIVER: J52.8 RN1.1
N267413_HV_STEPSTICK_DRIVER1: J55.8 RN2.1
N267413_STEPSTICK_DRIVER: J64.8 RN5.1
N267413_STEPSTICK_DRIVER1: J58.8 RN3.1
N267413_STEPSTICK_DRIVER2: J61.8 RN4.1
N267417_HV_STEPSTICK_DRIVER: J52.7 RN1.2
N267417_HV_STEPSTICK_DRIVER1: J55.7 RN2.2
N267417_STEPSTICK_DRIVER: J64.7 RN5.2
N267417_STEPSTICK_DRIVER1: J58.7 RN3.2
N267417_STEPSTICK_DRIVER2: J61.7 RN4.2
N267421_HV_STEPSTICK_DRIVER: J52.6 RN1.3
N267421_HV_STEPSTICK_DRIVER1: J55.6 RN2.3
N267421_STEPSTICK_DRIVER: J64.6 RN5.3
N267421_STEPSTICK_DRIVER1: J58.6 RN3.3
N267421_STEPSTICK_DRIVER2: J61.6 RN4.3
N267425_HV_STEPSTICK_DRIVER: J52.5 RN1.4
N267425_HV_STEPSTICK_DRIVER1: J55.5 RN2.4
N267425_STEPSTICK_DRIVER: J64.5 RN5.4
N267425_STEPSTICK_DRIVER1: J58.5 RN3.4
N267425_STEPSTICK_DRIVER2: J61.5 RN4.4
N267807_STEPSTICK_DRIVER: J64.11 R152.2
N267807_STEPSTICK_DRIVER1: J58.11 R146.2
N267807_STEPSTICK_DRIVER2: J61.11 R149.2
N303785_HV_STEPSTICK_DRIVER: J52.11 R140.2
N303785_HV_STEPSTICK_DRIVER1: J55.11 R143.2
OSC_IN: C36.1 U7.12 Y1.3
OSC_OUT: C47.1 U7.13 Y1.1
OVCUR: R67.1 U12.22 U16.3
PA0: U7.22 U8.4
PA1: U7.23 U8.5
PA2: U7.24
PA3: U7.25
PA9/TX1: T8.1(A1) U7.68
PA10/RX1: T9.1(A1) U7.69
PA13/SWDIO: J4.4 U7.72
PA14/SWCLK: J4.5 U7.76
PA15: U7.77 U8.7
PB3: U7.89 U8.3
PB6: U7.92
PB7: U7.93
PB8/SCL: R30.2 R34.2 U7.95
PB9/SDA: R29.2 R35.2 U7.96
PB10: U7.46
PB11: U7.47
PB12: R32.1 U7.51 U9.6
PC8: U7.65 U8.2
PC13: R45.1 U7.7 U11.7
PD4: R41.1 U7.85 U11.3
PD5: R43.1 U7.86 U11.5
PD6: R42.1 U7.87 U11.4
PD8: R33.1 U7.55 U9.7
PD9: R31.1 U7.56 U9.5
PD13: R37.1 U7.60 U9.9
PD14: R40.1 U7.61 U11.2
PD15: R36.1 U7.62 U9.8
PE2: U7.1
PE5: R44.1 U7.4 U11.6
PE6: R47.1 U7.5 U11.8
PE9: R26.2 U7.39 U9.2
PE10: R27.1 U7.40 U9.3
PE11: R28.1 U7.41 U9.4
PE12: U6.1 U7.42
PE13: Q1.2 R21.2 U7.43
PE14: U6.3 U7.44
PI_5V: C20.1 F5.2 J33.2 J33.4
PI_USB_UP_DM: L5.2(4) R55.1 U12.6
PI_USB_UP_DP: L5.4 R57.1 U12.7
PWREN: R155.2 U12.21 U16.4
RE/DE: R112.2 R162.2 R171.2 U14.2 U14.3
RESET: C33.1 J5.1 R48.2 R52.2 SW1.2 SW2.2
RPI_RX0: R109.2 R165.2 U14.1
RPI_RX1: R104.2 R169.1 U13.12
RPI_RX3: R106.2 R168.1 U13.9
RPI_TX0: R111.2 R164.2 U14.4 U19.1
RPI_TX1: R103.2 R170.2 U13.11
RPI_TX3: R105.2 R166.1 U13.10
RS485_A: D28.1 J37.1 R110.2 R113.1 U14.6
RS485_B: D29.1 J37.2 R108.2 R110.1 U14.7
RX: J33.10 R165.1
SPI1.MISO: J33.21 U7.30
SPI1.MOSI: J33.19 U7.31
SPI1.SCK: J33.23 U7.29
SPI1.SS: J33.24 U7.28
SPI4.MISO: J52.12(D2) J55.12(D2) J58.12(D2) J61.12(D2) J64.12(D2) Q1.3(3D) R20.2
SPI4.MOSI: J52.9 J55.9 J58.9 J61.9 J64.9 U6.4
SPI4.SCK: J52.10 J55.10 J58.10 J61.10 J64.10 U6.6
STANDBY: J24.4 R84.2
THERM_END4: U7.35
TX: J33.8 R164.1
USB_DM: D8.1 J8.2 J10.A7 J10.B7
USB_DM2: U12.13 U18.16
USB_DM3: L7.3 R174.2 U12.31
USB_DM4: L8.3 R176.2 U12.29
USB_DM5: U12.15 U17.2
USB_DM6: T10.1(A1) U12.1
USB_DM7: L6.3 R172.2 U12.3
USB_DP: D8.3 J8.3 J10.A6 J10.B6
USB_DP2: U12.14 U18.17
USB_DP3: L7.1 R175.2 U12.32
USB_DP4: L8.1 R177.2 U12.30
USB_DP5: U12.16 U17.1
USB_DP6: T11.1(A1) U12.2
USB_DP7: L6.1 R173.2 U12.4
USBDM_DN4: ED8.1 J15.2 U7.70 U12.11
USBDP_DP4: ED7.1 J15.3 U7.71 U12.12
X_MIN: MD1.19 Q17.2 R118.2 U7.97
XI: R70.2 U12.9 Y2.3
XO: C57.1 U12.8(XO) Y2.1
Y_MIN: MD2.19 Q19.2 R123.2 U7.52
Z_MIN: MD5.19 Q22.2 R130.2 U7.98
N227844: C1.1 U1.1
N227848: C1.2 L1.1 U1.3(SW)
N227924: C5.1 C6.1 C7.1 F2.1 L1.2 R2.2
N228004: R1.1 R3.2 U1.7
N228104: C5.2 R2.1 R4.2 U1.5
N230811: C8.1 U2.1
N230815: C8.2 L2.1 U2.3(SW)
N230925: C11.1 C12.1 C13.1 F4.1 L2.2 R6.2
N231033: R5.1 R7.2 U2.7
N231165: C11.2 R6.1 R8.2 U2.5
N289273: D3.2 R9.1
N289277: D4.2 R10.1
N289281: D6.2 R12.1
N289661: F1.1 F1.1_1 J1.1
N294317: C34.1 U7.48
N294339: C35.1 U7.73
N294743: R50.1 U7.74
N296224: R52.1 U7.14
N296953: R91.2 U8.15
N296959: R90.2 U8.14
N296965: R92.2 U8.13
N296971: Q15.2 R99.2 U7.91
N296975: Q8.5 U7.34
N296979: Q13.2 R97.2 U7.17
N296987: J30.2 U8.12
N297301: J33.22 U7.18
N297727: U7.82 U15.1
N297731: U7.81 U15.4
N298795: MD1.8 U9.17
N298801: MD1.7 U9.16
N298807: MD1.1 R139.2 U9.18
N298813: R140.1 U7.37
N299606: MD2.8 U9.14
N299612: MD2.7 U9.13
N299618: MD2.1 R142.2 U9.15
N299624: R143.1 U7.45
N301769: R152.1 U7.57
N301775: MD5.1 R151.2 U9.12
N301781: MD5.8 U9.11
N301787: MD5.7 U11.18
N303395: R146.1 U7.88
N303405: MD3.1 R145.2 U11.17
N303411: MD3.8 U11.16
N303417: MD3.7 U11.15
N304332: R149.1 U7.8
N304338: MD4.1 R148.2 U11.14
N304344: MD4.8 U11.13
N304350: MD4.7 U11.12
N315848: R34.1 U10.6
N315870: R35.1 U10.5
N320178: D15.1(K) J21.1 J21.3 J21.5 J25.1 R87.1
N320190: D16.1(K) J22.1 J22.3 J22.5 J26.1 R88.1
N320362: D15.2 D18.1(CATHODE) J25.2 Q10.5 Q10.6 Q10.7 Q10.8
N320378: D16.2 D19.1(CATHODE) J26.2 Q11.5 Q11.6 Q11.7 Q11.8
N320394: D18.2 R87.2
N320418: D19.2 R88.2
N320562: Q10.4 R91.1 R93.1
N320578: Q11.4 R90.1 R94.1
N321285: D17.1(K) J23.1 J23.3 J23.5 J27.1 R89.1
N321377: D17.2 D20.1(CATHODE) J27.2 Q12.5 Q12.6 Q12.7 Q12.8
N321393: D20.2 R89.2
N321473: Q12.4 R92.1 R95.1
N349182: D5.2 R11.1
N350077: L4.1 U15.7
N350215: L4.3 U15.6
N350345: R116.1 U15.8
N361875: R101.2 R102.1 U8.16
N362569: F3.1 F3.1_1 J2.1
N376506: R103.1 U18.8
N376510: R104.1 U18.12
N376932: R105.1 U18.3
N376936: R106.1 U18.4
N378040: R111.1 T5.1(A1) U17.8
N378044: R109.1 U17.9
N378050: R156.1 R171.1
N378747: J33.5 SW1.3(B2)
N378751: J33.3 SW1.4
N383272: Q25.2 R136.2 U7.38
N383366: Q21.2 R127.2 U7.33
N383372: Q23.2 R132.2 U7.9
N390609: R79.2 R81.1 U8.18
N390613: R80.2 R82.1 U8.17
N391838: Q4.2 U7.90
N395083: C74.1 J39.2 R117.2 U7.15
N395373: C75.1 J42.2 R122.2 U7.16
N395391: Q24.2 R134.2 U7.58
N395401: J46.3 U7.54
N395405: J46.1 R129.2 U7.2
N396885: D7.2 R38.1
N412668: R107.1 U7.3
N664616: C16.1 U4.1
N664624: C16.2 D2.1(CATHODE) L3.1 U4.8
N664854: R13.1 R15.2 U4.5
N664932: R14.1 R18.2 U4.3
N664940: C23.1 R16.2 U4.6
N664972: R17.2 U4.4
N696317: R25.2 U9.1
N713891: J10.A5 R56.2
N713907: D8.6 L5.1 R55.2
N713987: J10.B5 R58.2
N714023: D8.4(IO2_2) L5.3 R57.2
N723301: R39.2 U11.1
N735998: D25.1 J35.2 U13.14
N736004: D24.1 J35.3 U13.13
N736010: D27.1 J36.3 U13.7
N736014: D26.1 J36.4 U13.8
N737390: C66.2 U13.5
N737394: C66.1 U13.4
N737410: C64.1 U13.1
N737434: C64.2 U13.3
N737737: C65.1 U13.2
N737925: C67.1 U13.6
N739507: J36.2 R107.2 R159.1 R160.2
N757369: J66.1 R114.1
N767671: R162.1 U19.4
N795197: J28.1 J28.3 J28.5 Q14.2 R98.1
N795252: D22.1(K) J29.1 Q14.3(3D)
N795325: Q14.1 Q16.3 R98.2
N795481: Q16.1 R101.1
N823676: D21.1(K) R96.1
N823970: J40.3 Q17.3(3D) R119.2
N825218: J40.1 JP8.2 N2.1 R119.1
N825883: D11.1(K) J17.1 Q2.3(3D) R76.2
N825911: D12.1(K) J18.1 Q3.3(3D) R77.2
N826035: Q2.1 Q6.3 R73.2
N826051: Q3.1 Q7.3 R74.2
N826223: D14.2 R77.1
N826332: J43.1 JP11.2 N5.1 R124.1
N826351: Q6.1 R79.1
N826367: Q7.1 R80.1
N826430: J43.3 Q19.3(3D) R124.2
N826862: D10.2 R71.1
N826938: D10.1(CATHODE) J19.2 Q5.3(3D)
N826992: Q4.5 Q4.6 R72.1
N827062: Q4.3(PE) R75.1
N827068: Q5.1 R75.2 R78.1
N827093: J47.1 JP13.2 N7.1 R131.1
N827191: J47.3 Q22.3(3D) R131.2
N827446: R19.2 U8.1
N828645: D23.1(K) F6.1 J31.1
N828831: J41.1 JP9.2 N3.1 R121.1
N828929: J41.3 Q18.3(3D) R121.2
N829638: JP7.2 N1.1 R100.1
N829683: J44.1 JP10.2 N4.1 R126.1
N829728: J31.2 Q15.3(3D) R100.2
N829781: J44.3 Q20.3(3D) R126.2
N830155: R22.2 U8.11
N830719: R23.1 U8.9
N831870: R49.1 U11.9
N831902: R46.2 U11.11
N832094: J45.1 JP12.2 N6.1 R128.1
N832192: J45.3 Q21.3(3D) R128.2
N833636: J48.1 JP14.2 N8.1 R133.1
N833752: J48.3 Q23.3(3D) R133.2
N834017: J49.1 JP16.2 N10.1 R135.1
N834133: J49.3 Q24.3(3D) R135.2
N834964: J50.1 JP15.2 N9.1 R137.1
N835086: J50.3 Q25.3(3D) R137.2
N841891: Q8.6 R83.1 R85.1
N841899: J20.1 J20.3 J20.5 Q9.2(EMITTER) R83.2 R84.1
N841991: Q9.1 R85.2
N853229: Q8.2 Q8.3(PE)
N858818: D13.2 R76.1
N897053: R64.2 U12.23
N900690: C54.1 U12.28
N900694: C55.1 U12.10
N904620: R66.2 U16.5
N924861: R156.2 U17.6
N932941: D36.1(CATHODE) U18.15
